# Altium PCB PCB1.PcbDoc (part 4 of 4)
Units mil, origin at the board's own origin, x right, y up, seen from the top; angles counter-clockwise.
Board outline 1130 x 1815 mil, 2 copper layers (Top Layer, Bottom Layer); 375 components, 18 nets, 1650 pads, 0 vias.
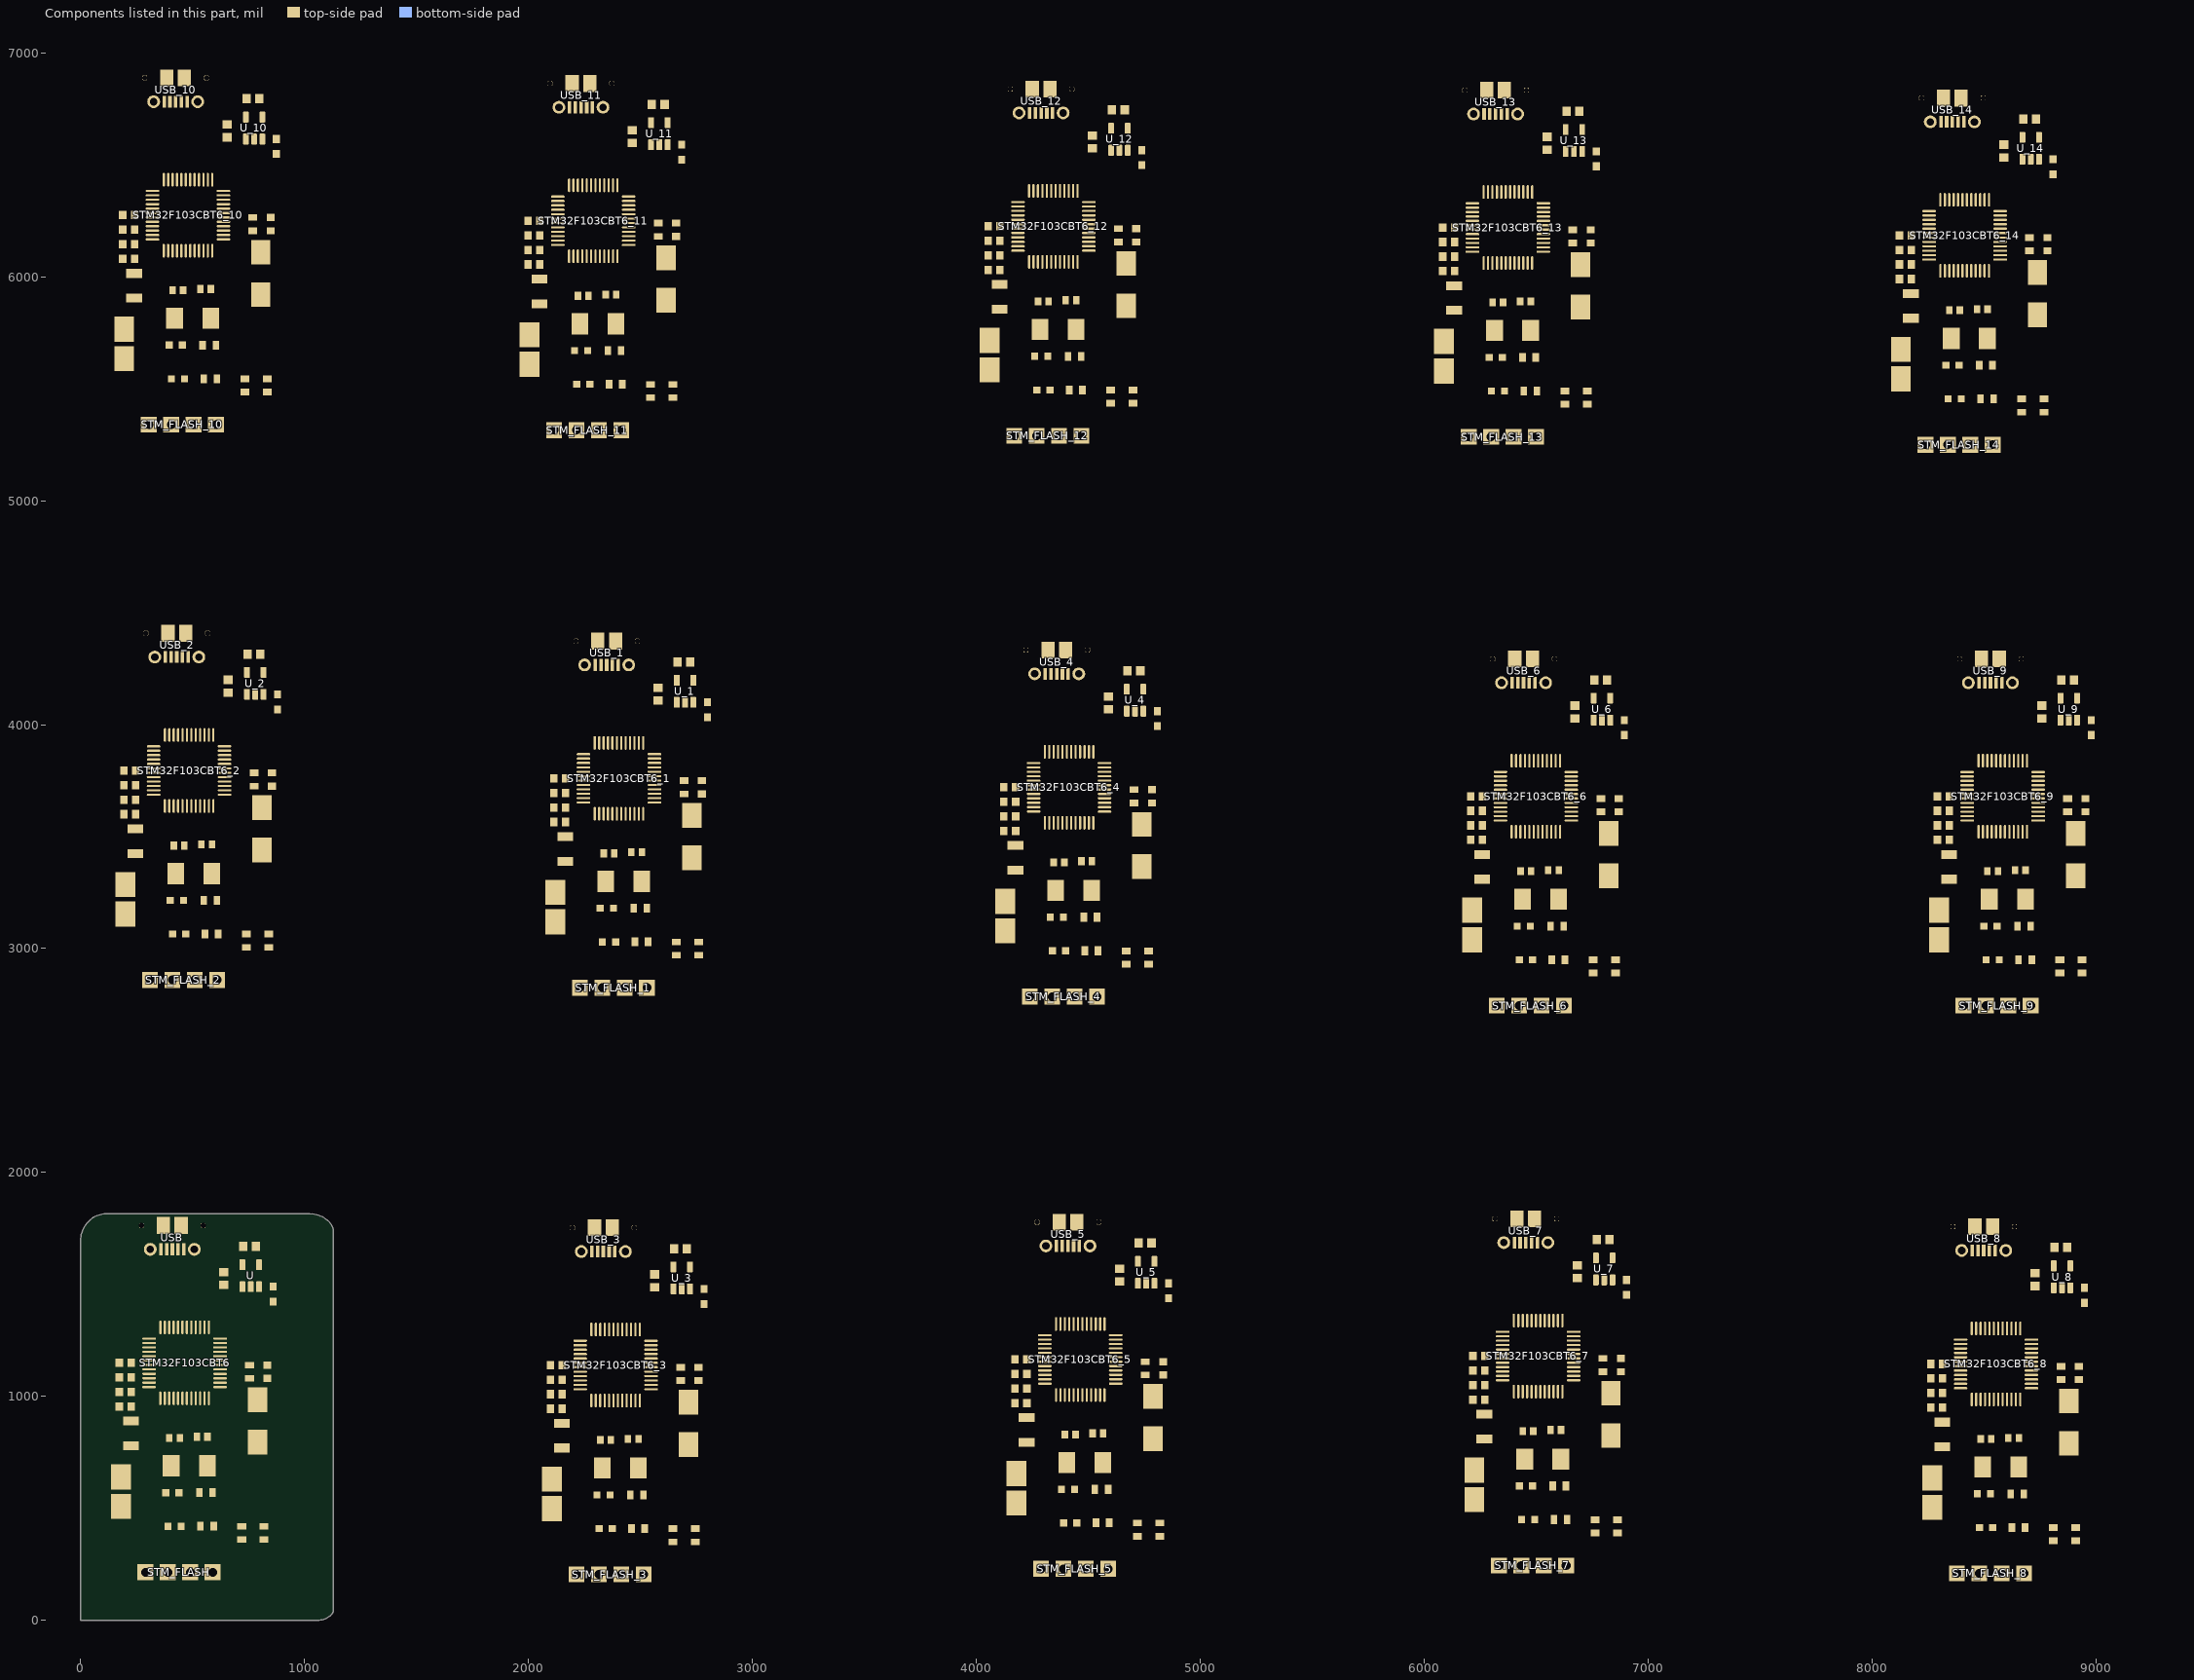
[diagram p4: the components of this part, seen from the top]

## Polygon pours and split planes (outlines as drawn) (continued)
no net on Top Layer "NONET_L01_P017" (solid, remove dead copper, pour order 17): 15,6811.51 cw(c131.74,6823.26) 120,6940 1061.72,6940 cw(c1061.72,6856.72) 1145,6856.72 1145,5174.14 cw(c1095.86,5174.14) 1095.86,5125 15,5125
no net on Top Layer "NONET_L01_P016" (solid, remove dead copper, pour order 16): 8120,4216.51 cw(c8236.74,4228.26) 8225,4345 9166.72,4345 cw(c9166.72,4261.72) 9250,4261.72 9250,2579.14 cw(c9200.86,2579.14) 9200.86,2530 8120,2530
no net on Top Layer "NONET_L01_P015" (solid, remove dead copper, pour order 15): 8090,1681.51 cw(c8206.74,1693.26) 8195,1810 9136.72,1810 cw(c9136.72,1726.72) 9220,1726.72 9220,44.14 cw(c9170.86,44.14) 9170.86,-5 8090,-5
no net on Top Layer "NONET_L01_P014" (solid, remove dead copper, pour order 14): 6045,1716.51 cw(c6161.74,1728.26) 6150,1845 7091.72,1845 cw(c7091.72,1761.72) 7175,1761.72 7175,79.14 cw(c7125.86,79.14) 7125.86,30 6045,30
no net on Top Layer "NONET_L01_P013" (solid, remove dead copper, pour order 13): 6035,4216.51 cw(c6151.74,4228.26) 6140,4345 7081.72,4345 cw(c7081.72,4261.72) 7165,4261.72 7165,2579.14 cw(c7115.86,2579.14) 7115.86,2530 6035,2530
no net on Top Layer "NONET_L01_P012" (solid, remove dead copper, pour order 12): 4000,1701.51 cw(c4116.74,1713.26) 4105,1830 5046.72,1830 cw(c5046.72,1746.72) 5130,1746.72 5130,64.14 cw(c5080.86,64.14) 5080.86,15 4000,15
no net on Top Layer "NONET_L01_P011" (solid, remove dead copper, pour order 11): 3950,4256.51 cw(c4066.74,4268.26) 4055,4385 4996.72,4385 cw(c4996.72,4301.72) 5080,4301.72 5080,2619.14 cw(c5030.86,2619.14) 5030.86,2570 3950,2570
no net on Top Layer "NONET_L01_P010" (solid, remove dead copper, pour order 10): 1925,1676.51 cw(c2041.74,1688.26) 2030,1805 2971.72,1805 cw(c2971.72,1721.72) 3055,1721.72 3055,39.14 cw(c3005.86,39.14) 3005.86,-10 1925,-10
no net on Top Layer "NONET_L01_P009" (solid, remove dead copper, pour order 9): 1940,4296.51 cw(c2056.74,4308.26) 2045,4425 2986.72,4425 cw(c2986.72,4341.72) 3070,4341.72 3070,2659.14 cw(c3020.86,2659.14) 3020.86,2610 1940,2610
no net on Top Layer "NONET_L01_P008" (solid, remove dead copper, pour order 8): 20,4331.51 cw(c136.74,4343.26) 125,4460 1066.72,4460 cw(c1066.72,4376.72) 1150,4376.72 1150,2694.14 cw(c1100.86,2694.14) 1100.86,2645 20,2645
GND on Top Layer "GND_L01_P000" (solid, remove dead copper, pour order 0): 0,1686.51 cw(c116.74,1698.26) 105,1815 1046.72,1815 cw(c1046.72,1731.72) 1130,1731.72 1130,49.14 cw(c1080.86,49.14) 1080.86,0 0,0

## Silkscreen, mask and mechanical layers (free items; w line width, h text height)
Top Overlay:
  text "STM-STLINKV2" at 1105,5160 h60 r90
  text "STM-STLINKV2" at 2915,5135 h60 r90
  text "STM-STLINKV2" at 4970,5110 h60 r90
  text "STM-STLINKV2" at 7000,5105 h60 r90
  text "STM-STLINKV2" at 9040,5070 h60 r90
  text "STM-STLINKV2" at 1110,2680 h60 r90
  text "STM-STLINKV2" at 3030,2645 h60 r90
  text "STM-STLINKV2" at 5040,2605 h60 r90
  text "STM-STLINKV2" at 7125,2565 h60 r90
  text "STM-STLINKV2" at 9210,2565 h60 r90
  text "STM-STLINKV2" at 7135,65 h60 r90
  text "STM-STLINKV2" at 5090,50 h60 r90
  text "STM-STLINKV2" at 1090,35 h60 r90
  text "STM-STLINKV2" at 9180,30 h60 r90
  text "STM-STLINKV2" at 3015,25 h60 r90

## Text inside footprints (layer, text, board x,y; h text height)
USB: Mechanical 1 "PCB EDGE" at 693.46,1824.17 h11.81 r180
USB_1: Mechanical 1 "PCB EDGE" at 2633.46,4434.17 h11.81 r180
USB_2: Mechanical 1 "PCB EDGE" at 713.46,4469.17 h11.81 r180
USB_3: Mechanical 1 "PCB EDGE" at 2618.46,1814.17 h11.81 r180
USB_4: Mechanical 1 "PCB EDGE" at 4643.46,4394.17 h11.81 r180
USB_5: Mechanical 1 "PCB EDGE" at 4693.46,1839.17 h11.81 r180
USB_6: Mechanical 1 "PCB EDGE" at 6728.46,4354.17 h11.81 r180
USB_7: Mechanical 1 "PCB EDGE" at 6738.46,1854.17 h11.81 r180
USB_8: Mechanical 1 "PCB EDGE" at 8783.46,1819.17 h11.81 r180
USB_9: Mechanical 1 "PCB EDGE" at 8813.46,4354.17 h11.81 r180
USB_10: Mechanical 1 "PCB EDGE" at 708.46,6949.17 h11.81 r180
USB_11: Mechanical 1 "PCB EDGE" at 2518.46,6924.17 h11.81 r180
USB_12: Mechanical 1 "PCB EDGE" at 4573.46,6899.17 h11.81 r180
USB_13: Mechanical 1 "PCB EDGE" at 6603.46,6894.17 h11.81 r180
USB_14: Mechanical 1 "PCB EDGE" at 8643.46,6859.17 h11.81 r180